# KiCad board knobby_8_layer_12_coils_60_leds_70x20_complete.kicad_pcb (continued)
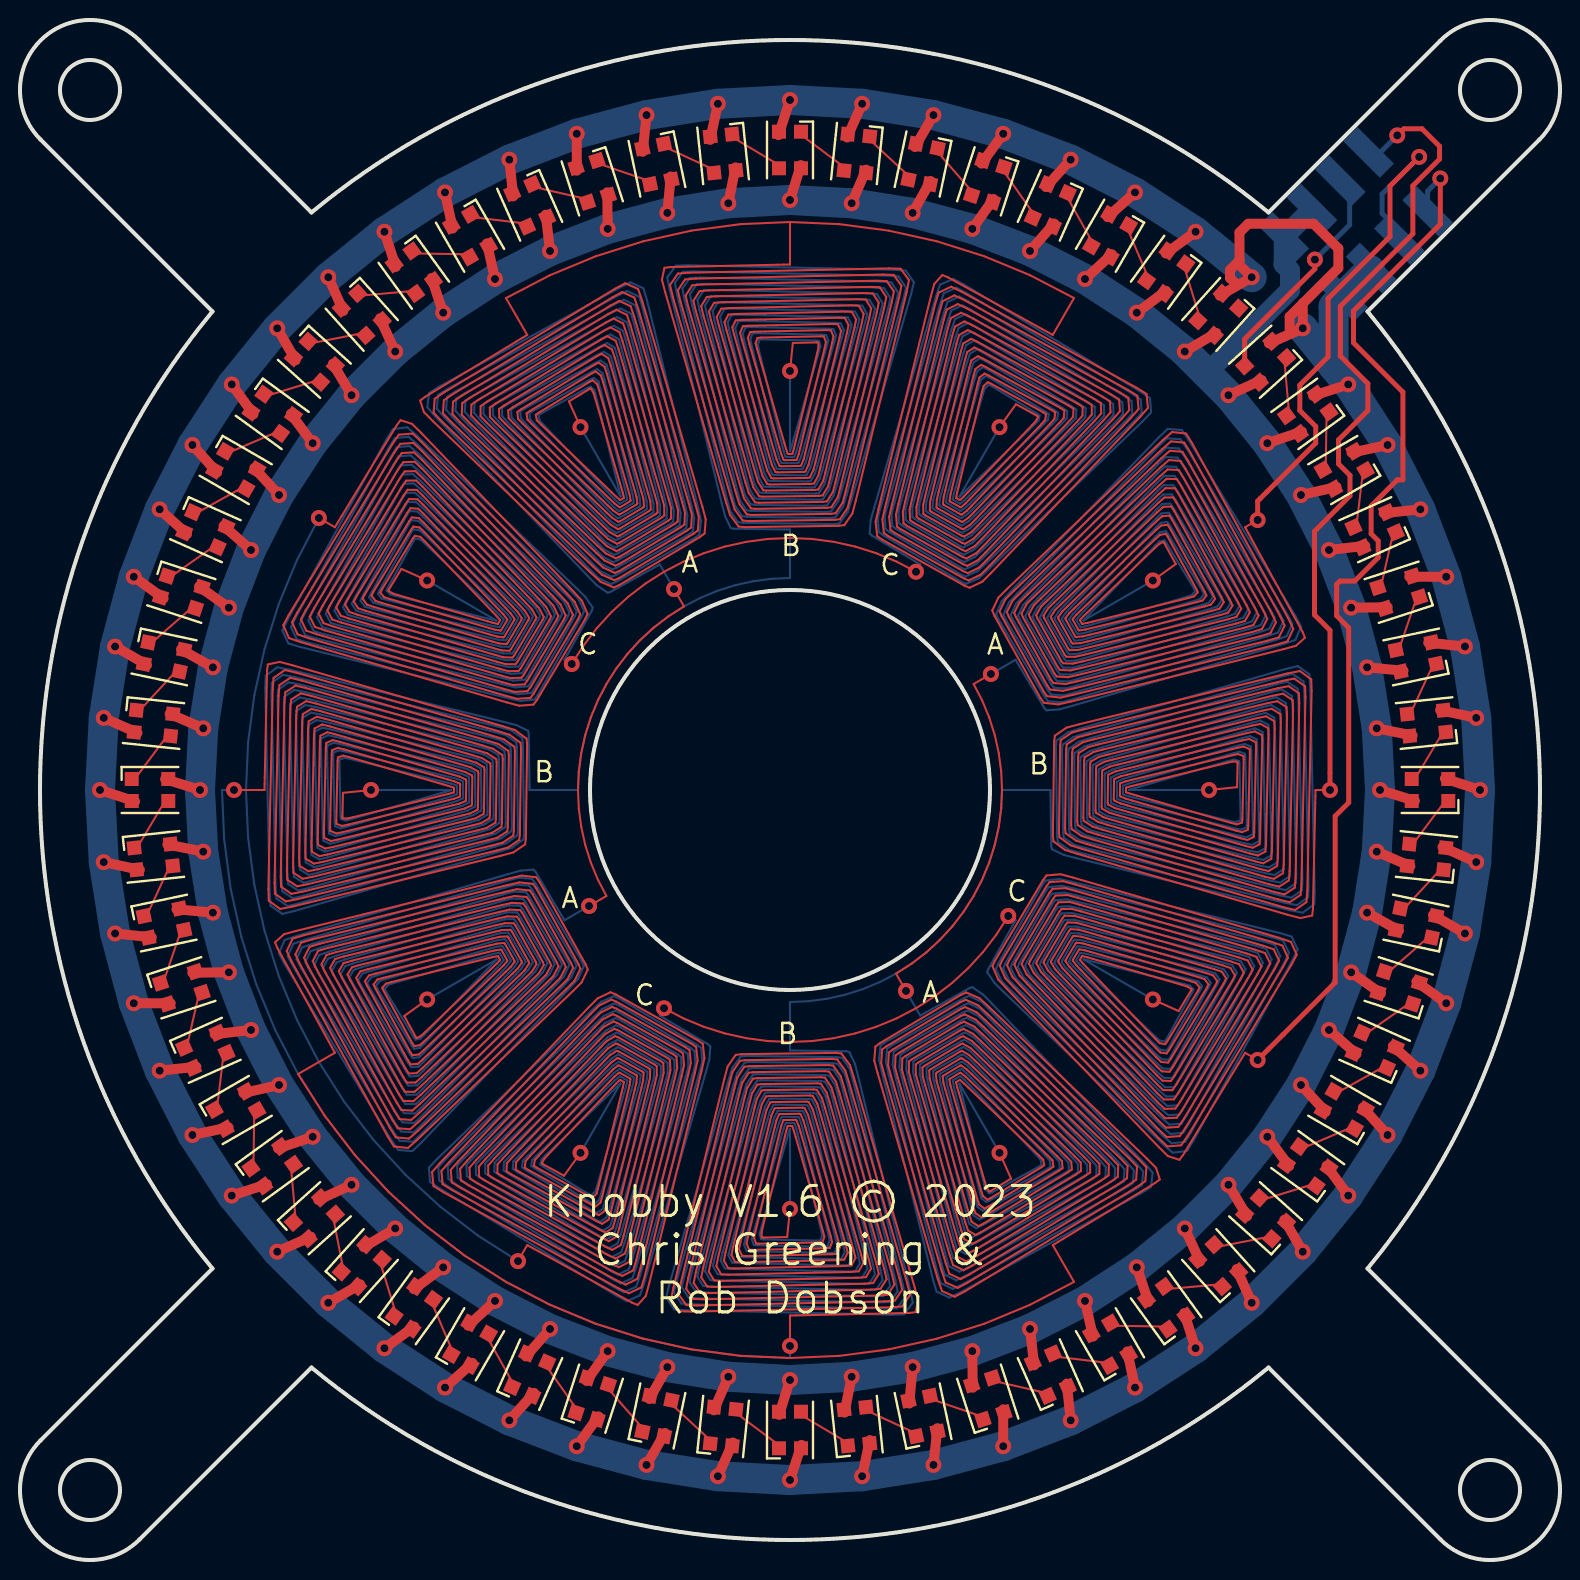
[diagram p0: board, top side]
## Routing (per net, layer and track width the routed paths; a pad name or vN(x,y) marks a point on that pad's centre or on a via; arc(x,y) is an arc through that point) (continued)
  In3.Cu w0.102: v1(48.98,20.36) 46.97,23.82 46.97,23.82 46.97,23.8 47.03,23.55 47.1,23.29 48.21,18.77 48.28,18.51 48.47,18.33 48.61,18.39 50.95,19.67 51.08,19.76 51.02,20.03 50.83,20.24 47.44,23.79 47.24,23.99 47.03,24.18 47,24.18 46.66,23.99 46.64,23.96 46.69,23.67 46.76,23.38 48,18.37 48.08,18.08 48.31,17.89 48.48,17.97 51.38,19.56 51.53,19.67 51.49,19.97 51.28,20.21 47.54,24.12 47.31,24.35 47.07,24.55 47.02,24.54 46.35,24.16 46.31,24.12 46.35,23.8 46.43,23.47 47.78,17.98 47.87,17.66 48.14,17.46 48.35,17.55 51.8,19.45 51.99,19.57 51.96,19.92 51.73,20.17 47.63,24.46 47.39,24.71 47.11,24.91 47.04,24.89 46.04,24.34 45.98,24.28 46.01,23.92 46.09,23.57 47.57,17.58 47.67,17.24 47.97,17.03 48.21,17.14 52.23,19.34 52.45,19.48 52.42,19.86 52.17,20.14 47.73,24.79 47.47,25.06 47.15,25.28 47.05,25.25 45.73,24.51 45.66,24.44 45.67,24.04 45.76,23.66 47.36,17.18 47.46,16.81 47.81,16.59 48.08,16.72 52.65,19.23 52.9,19.39 52.89,19.81 52.62,20.11 47.83,25.13 47.54,25.42 47.18,25.64 47.07,25.61 45.42,24.68 45.33,24.6 45.33,24.17 45.43,23.76 47.14,16.79 47.26,16.39 47.64,16.16 47.95,16.3 53.07,19.12 53.36,19.3 53.36,19.75 53.07,20.08 47.93,25.46 47.62,25.77 47.22,26.01 47.09,25.96 45.11,24.85 45,24.77 44.99,24.29 45.09,23.85 46.93,16.39 47.06,15.96 47.47,15.72 47.81,15.88 53.5,19 53.82,19.21 53.83,19.7 53.52,20.04 48.03,25.8 47.7,26.13 47.26,26.38 47.11,26.32 44.8,25.03 44.67,24.93 44.65,24.41 44.76,23.94 46.72,16 46.85,15.54 47.31,15.29 47.68,15.47 53.92,18.89 54.27,19.11 54.29,19.64 53.97,20.01 48.12,26.13 47.77,26.48 47.3,26.74 47.13,26.67 44.49,25.2 44.34,25.09 44.31,24.54 44.42,24.04 46.5,15.6 46.65,15.12 47.14,14.85 47.54,15.05 54.35,18.78 54.73,19.02 54.76,19.59 54.42,19.98 48.22,26.46 47.85,26.84 47.34,27.11 47.15,27.03 44.18,25.37 44.01,25.25 43.97,24.66 44.09,24.13 46.29,15.2 46.44,14.69 46.97,14.42 47.41,14.63 54.77,18.67 55.18,18.93 55.23,19.53 54.87,19.95 48.32,26.8 47.92,27.19 47.38,27.47 47.16,27.39 43.87,25.54 43.68,25.41 43.63,24.78 43.76,24.22 46.08,14.81 46.24,14.27 46.81,13.99 47.28,14.21 55.2,18.56 55.64,18.84 55.7,19.48 55.32,19.91 48.42,27.13 48,27.55 47.42,27.84 47.18,27.74 43.56,25.72 43.36,25.57 43.29,24.9 43.42,24.32 45.86,14.41 46.03,13.84 46.64,13.55 47.14,13.79 55.62,18.45 56.1,18.74 56.16,19.42 55.76,19.88 48.51,27.47 48.08,27.91 47.45,28.2 47.2,28.1 43.25,25.89 43.03,25.73 42.95,25.03 43.09,24.41 45.65,14.01 45.83,13.42 46.47,13.12 47.01,13.38 56.05,18.34 56.55,18.65 56.63,19.37 56.21,19.85 48.61,27.8 48.16,28.27 47.62,28.64 47.46,28.59 45.01,27.22 v1(44.3,28.45) ; v1(38.5,10.7) 38.5,10.1 36.02,10.21 33.57,10.53 31.15,11.07 28.79,11.81 26.5,12.76 24.3,13.9 22.21,15.24 20.24,16.74 18.42,18.42 16.74,20.24 15.24,22.21 13.9,24.3 12.76,26.5 11.81,28.79 11.07,31.15 10.53,33.57 10.21,36.02 10.1,38.5 v1(10.7,38.5) ; v1(24.9,14.94) 22.9,16.22 21.02,17.66 19.27,19.27 17.66,21.02 16.22,22.9 14.94,24.9 13.85,27 12.94,29.2 12.23,31.46 11.71,33.78 11.4,36.13 11.3,38.5 11.4,40.87 11.71,43.22 12.23,45.54 12.94,47.8 13.85,50 v1(14.94,52.1) ; v1(48.98,56.64) 46.98,53.18 46.98,53.17 46.99,53.18 47.18,53.36 47.38,53.55 50.73,56.77 50.92,56.97 50.98,57.22 50.86,57.31 48.58,58.7 48.44,58.76 48.24,58.58 48.15,58.31 46.77,53.6 46.69,53.32 46.64,53.05 46.65,53.02 46.99,52.82 47.02,52.82 47.24,53.01 47.46,53.22 51.18,56.79 51.39,57 51.44,57.3 51.29,57.41 48.46,59.12 48.29,59.21 48.05,59.01 47.95,58.71 46.43,53.51 46.35,53.21 46.3,52.9 46.33,52.86 46.99,52.47 47.04,52.45 47.31,52.65 47.55,52.88 51.63,56.8 51.86,57.04 51.9,57.37 51.72,57.5 48.35,59.54 48.14,59.65 47.86,59.44 47.76,59.12 46.1,53.43 46,53.1 45.96,52.75 46.02,52.7 47,52.11 47.07,52.09 47.37,52.29 47.63,52.54 52.08,56.81 52.33,57.07 52.36,57.44 52.14,57.59 48.23,59.97 48,60.09 47.68,59.88 47.56,59.52 45.76,53.35 45.65,52.98 45.63,52.6 45.7,52.53 47,51.76 47.09,51.73 47.43,51.94 47.72,52.21 52.53,56.83 52.8,57.11 52.82,57.51 52.57,57.69 48.12,60.39 47.85,60.53 47.49,60.31 47.36,59.93 45.42,53.27 45.31,52.87 45.29,52.45 45.38,52.37 47.01,51.4 47.12,51.36 47.5,51.58 47.81,51.87 52.98,56.84 53.27,57.14 53.28,57.59 53,57.78 48,60.81 47.7,60.97 47.31,60.74 47.17,60.33 45.08,53.18 44.96,52.76 44.95,52.3 45.06,52.21 47.01,51.05 47.15,51 47.56,51.23 47.89,51.53 53.43,56.85 53.74,57.18 53.74,57.66 53.43,57.87 47.88,61.24 47.55,61.41 47.12,61.17 46.97,60.74 44.74,53.1 44.62,52.65 44.62,52.15 44.75,52.05 47.02,50.69 47.17,50.63 47.62,50.87 47.98,51.2 53.88,56.87 54.21,57.21 54.2,57.73 53.86,57.97 47.77,61.66 47.4,61.85 46.93,61.61 46.78,61.14 44.4,53.02 44.27,52.54 44.28,52 44.43,51.88 47.02,50.34 47.2,50.27 47.69,50.51 48.06,50.86 54.33,56.88 54.68,57.25 54.66,57.8 54.29,58.06 47.65,62.08 47.26,62.29 46.75,62.04 46.58,61.55 44.06,52.94 43.92,52.43 43.95,51.85 44.11,51.72 47.03,49.98 47.22,49.9 47.75,50.16 48.15,50.53 54.78,56.89 55.15,57.28 55.12,57.88 54.72,58.15 47.54,62.51 47.11,62.73 46.56,62.47 46.38,61.95 43.72,52.85 43.58,52.31 43.61,51.7 43.79,51.56 47.03,49.63 47.25,49.54 47.82,49.8 48.24,50.19 55.23,56.91 55.62,57.32 55.58,57.95 55.15,58.25 47.42,62.93 46.96,63.18 46.38,62.9 46.19,62.36 43.39,52.77 43.23,52.2 43.27,51.55 43.48,51.4 47.04,49.27 47.27,49.17 47.88,49.45 48.32,49.85 55.68,56.92 56.09,57.35 56.04,58.02 55.57,58.34 47.31,63.35 46.81,63.62 46.19,63.34 45.99,62.76 43.05,52.69 42.89,52.09 42.94,51.4 43.16,51.24 47.05,48.92 47.3,48.81 47.94,49.09 48.41,49.52 56.13,56.94 56.56,57.39 56.5,58.1 56,58.43 47.19,63.78 46.66,64.06 46,63.77 45.79,63.17 42.71,52.61 42.53,51.98 42.48,51.32 42.6,51.22 45.01,49.78 v1(44.8,49.41) ; v1(56.64,48.98) 53.18,46.98 53.17,46.98 53.18,46.99 53.36,47.18 53.55,47.38 56.77,50.73 56.97,50.92 57.22,50.98 57.31,50.86 58.7,48.58 58.76,48.44 58.58,48.24 58.31,48.15 53.6,46.77 53.32,46.69 53.05,46.64 53.02,46.65 52.82,46.99 52.82,47.02 53.01,47.24 53.22,47.46 56.79,51.18 57,51.39 57.3,51.44 57.41,51.29 59.12,48.46 59.21,48.29 59.01,48.05 58.71,47.95 53.51,46.43 53.21,46.35 52.9,46.3 52.86,46.33 52.47,46.99 52.45,47.04 52.65,47.31 52.88,47.55 56.8,51.63 57.04,51.86 57.37,51.9 57.5,51.72 59.54,48.35 59.65,48.14 59.44,47.86 59.12,47.76 53.43,46.1 53.1,46 52.75,45.96 52.7,46.02 52.11,47 52.09,47.07 52.29,47.37 52.54,47.63 56.81,52.08 57.07,52.33 57.44,52.36 57.59,52.14 59.97,48.23 60.09,48 59.88,47.68 59.52,47.56 53.35,45.76 52.98,45.65 52.6,45.63 52.53,45.7 51.76,47 51.73,47.09 51.94,47.43 52.21,47.72 56.83,52.53 57.11,52.8 57.51,52.82 57.69,52.57 60.39,48.12 60.53,47.85 60.31,47.49 59.93,47.36 53.27,45.42 52.87,45.31 52.45,45.29 52.37,45.38 51.4,47.01 51.36,47.12 51.58,47.5 51.87,47.81 56.84,52.98 57.14,53.27 57.59,53.28 57.78,53 60.81,48 60.97,47.7 60.74,47.31 60.33,47.17 53.18,45.08 52.76,44.96 52.3,44.95 52.21,45.06 51.05,47.01 51,47.15 51.23,47.56 51.53,47.89 56.85,53.43 57.18,53.74 57.66,53.74 57.87,53.43 61.24,47.88 61.41,47.55 61.17,47.12 60.74,46.97 53.1,44.74 52.65,44.62 52.15,44.62 52.05,44.75 50.69,47.02 50.63,47.17 50.87,47.62 51.2,47.98 56.87,53.88 57.21,54.21 57.73,54.2 57.97,53.86 61.66,47.77 61.85,47.4 61.61,46.93 61.14,46.78 53.02,44.4 52.54,44.27 52,44.28 51.88,44.43 50.34,47.02 50.27,47.2 50.51,47.69 50.86,48.06 56.88,54.33 57.25,54.68 57.8,54.66 58.06,54.29 62.08,47.65 62.29,47.26 62.04,46.75 61.55,46.58 52.94,44.06 52.43,43.92 51.85,43.95 51.72,44.11 49.98,47.03 49.9,47.22 50.16,47.75 50.53,48.15 56.89,54.78 57.28,55.15 57.88,55.12 58.15,54.72 62.51,47.54 62.73,47.11 62.47,46.56 61.95,46.38 52.85,43.72 52.31,43.58 51.7,43.61 51.56,43.79 49.63,47.03 49.54,47.25 49.8,47.82 50.19,48.24 56.91,55.23 57.32,55.62 57.95,55.58 58.25,55.15 62.93,47.42 63.18,46.96 62.9,46.38 62.36,46.19 52.77,43.39 52.2,43.23 51.55,43.27 51.4,43.48 49.27,47.04 49.17,47.27 49.45,47.88 49.85,48.32 56.92,55.68 57.35,56.09 58.02,56.04 58.34,55.57 63.35,47.31 63.62,46.81 63.34,46.19 62.76,45.99 52.69,43.05 52.09,42.89 51.4,42.94 51.24,43.16 48.92,47.05 48.81,47.3 49.09,47.94 49.52,48.41 56.94,56.13 57.39,56.56 58.1,56.5 58.43,56 63.78,47.19 64.06,46.66 63.77,46 63.17,45.79 52.61,42.71 51.98,42.53 51.32,42.48 51.22,42.6 49.78,45.01 v1(48.55,44.3) ; v1(28.03,20.36) 30.02,23.82 30.02,23.83 30.01,23.82 29.82,23.64 29.62,23.45 26.27,20.23 26.08,20.03 26.02,19.78 26.14,19.69 28.42,18.3 28.56,18.24 28.76,18.42 28.85,18.69 30.23,23.4 30.31,23.68 30.36,23.95 30.35,23.98 30.01,24.18 29.98,24.18 29.76,23.99 29.54,23.78 25.82,20.21 25.61,20 25.56,19.7 25.71,19.59 28.54,17.88 28.71,17.79 28.95,17.99 29.05,18.29 30.57,23.49 30.65,23.79 30.7,24.1 30.67,24.14 30.01,24.53 29.96,24.55 29.69,24.35 29.45,24.12 25.37,20.2 25.14,19.96 25.1,19.63 25.28,19.5 28.65,17.46 28.86,17.35 29.14,17.56 29.24,17.88 30.9,23.57 31,23.9 31.04,24.25 30.98,24.3 30,24.89 29.93,24.91 29.63,24.71 29.37,24.46 24.92,20.19 24.67,19.93 24.64,19.56 24.86,19.41 28.77,17.03 29,16.91 29.32,17.12 29.44,17.48 31.24,23.65 31.35,24.02 31.37,24.4 31.3,24.47 30,25.24 29.91,25.27 29.57,25.06 29.28,24.79 24.47,20.17 24.2,19.89 24.18,19.49 24.43,19.31 28.88,16.61 29.15,16.47 29.51,16.69 29.64,17.07 31.58,23.73 31.69,24.13 31.71,24.55 31.62,24.63 29.99,25.6 29.88,25.64 29.5,25.42 29.19,25.13 24.02,20.16 23.73,19.86 23.72,19.41 24,19.22 29,16.19 29.3,16.03 29.69,16.26 29.83,16.67 31.92,23.82 32.04,24.24 32.05,24.7 31.94,24.79 29.99,25.95 29.85,26 29.44,25.77 29.11,25.47 23.57,20.15 23.26,19.82 23.26,19.34 23.57,19.13 29.12,15.76 29.45,15.59 29.88,15.83 30.03,16.26 32.26,23.9 32.38,24.35 32.38,24.85 32.25,24.95 29.98,26.31 29.83,26.37 29.38,26.13 29.02,25.8 23.12,20.13 22.79,19.79 22.8,19.27 23.14,19.03 29.23,15.34 29.6,15.15 30.07,15.39 30.22,15.86 32.6,23.98 32.73,24.46 32.72,25 32.57,25.12 29.98,26.66 29.8,26.73 29.31,26.49 28.94,26.14 22.67,20.12 22.32,19.75 22.34,19.2 22.71,18.94 29.35,14.92 29.74,14.71 30.25,14.96 30.42,15.45 32.94,24.06 33.08,24.57 33.05,25.15 32.89,25.28 29.97,27.02 29.78,27.1 29.25,26.84 28.85,26.47 22.22,20.11 21.85,19.72 21.88,19.12 22.28,18.85 29.46,14.49 29.89,14.27 30.44,14.53 30.62,15.05 33.28,24.15 33.42,24.69 33.39,25.3 33.21,25.44 29.97,27.37 29.75,27.46 29.18,27.2 28.76,26.81 21.77,20.09 21.38,19.68 21.42,19.05 21.85,18.75 29.58,14.07 30.04,13.82 30.62,14.1 30.81,14.64 33.61,24.23 33.77,24.8 33.73,25.45 33.52,25.6 29.96,27.73 29.73,27.83 29.12,27.55 28.68,27.15 21.32,20.08 20.91,19.65 20.96,18.98 21.43,18.66 29.69,13.65 30.19,13.38 30.81,13.66 31.01,14.24 33.95,24.31 34.11,24.91 34.06,25.6 33.84,25.76 29.95,28.08 29.7,28.19 29.06,27.91 28.59,27.48 20.87,20.06 20.44,19.61 20.5,18.9 21,18.57 29.81,13.22 30.34,12.94 31,13.23 31.21,13.83 34.29,24.39 34.47,25.02 34.52,25.68 34.4,25.78 31.99,27.22 v1(32.2,27.59) ; v1(17.55,38.5) 21.55,38.5 21.55,38.49 21.54,38.49 21.29,38.41 21.03,38.34 16.56,37.04 16.3,36.98 16.04,37.05 16.03,37.2 15.97,39.87 15.98,40.02 16.24,40.11 16.52,40.05 21.29,38.88 21.57,38.81 21.83,38.73 21.85,38.7 21.85,38.31 21.84,38.28 21.56,38.18 21.27,38.1 16.32,36.66 16.03,36.59 15.75,36.69 15.73,36.88 15.66,40.18 15.67,40.37 15.96,40.48 16.27,40.42 21.53,39.14 21.84,39.06 22.13,38.94 22.15,38.9 22.16,38.13 22.14,38.08 21.84,37.95 21.52,37.85 16.08,36.28 15.77,36.2 15.46,36.33 15.44,36.56 15.35,40.49 15.36,40.72 15.68,40.86 16.02,40.79 21.77,39.39 22.11,39.3 22.43,39.16 22.45,39.09 22.46,37.95 22.45,37.87 22.12,37.71 21.77,37.61 15.85,35.89 15.5,35.81 15.17,35.97 15.14,36.23 15.04,40.81 15.06,41.07 15.4,41.24 15.76,41.16 22.01,39.64 22.38,39.55 22.73,39.38 22.75,39.28 22.77,37.76 22.75,37.67 22.39,37.48 22.02,37.37 15.61,35.51 15.24,35.42 14.87,35.61 14.85,35.91 14.73,41.12 14.75,41.42 15.12,41.62 15.51,41.54 22.25,39.89 22.65,39.79 23.02,39.59 23.05,39.48 23.07,37.58 23.05,37.47 22.67,37.25 22.27,37.13 15.38,35.13 14.97,35.03 14.58,35.24 14.55,35.58 14.43,41.43 14.44,41.77 14.84,41.99 15.26,41.91 22.49,40.14 22.92,40.03 23.32,39.81 23.35,39.67 23.38,37.4 23.36,37.26 22.95,37.02 22.52,36.88 15.14,34.75 14.71,34.64 14.29,34.88 14.26,35.26 14.12,41.74 14.13,42.12 14.55,42.37 15.01,42.28 22.73,40.4 23.19,40.28 23.62,40.03 23.65,39.86 23.68,37.22 23.66,37.06 23.22,36.78 22.76,36.64 14.9,34.36 14.44,34.25 14,34.52 13.96,34.93 13.81,42.05 13.82,42.46 14.27,42.75 14.75,42.65 22.98,40.65 23.46,40.52 23.92,40.24 23.94,40.06 23.99,37.04 23.96,36.85 23.5,36.55 23.01,36.4 14.67,33.98 14.18,33.86 13.7,34.16 13.67,34.61 13.5,42.37 13.52,42.81 13.99,43.13 14.5,43.03 23.22,40.9 23.73,40.77 24.21,40.46 24.24,40.25 24.29,36.85 24.27,36.65 23.78,36.32 23.26,36.16 14.43,33.6 13.91,33.47 13.41,33.8 13.37,34.28 13.19,42.68 13.21,43.16 13.71,43.5 14.25,43.4 23.46,41.15 24,41.01 24.51,40.67 24.54,40.45 24.6,36.67 24.57,36.44 24.05,36.08 23.51,35.91 14.19,33.21 13.65,33.08 13.12,33.44 13.08,33.96 12.88,42.99 12.9,43.51 13.43,43.88 14,43.77 23.7,41.4 24.27,41.25 24.81,40.89 24.84,40.64 24.9,36.49 24.87,36.24 24.33,35.85 23.76,35.67 13.96,32.83 13.38,32.7 12.82,33.07 12.78,33.63 12.57,43.3 12.59,43.86 13.15,44.26 13.74,44.14 23.94,41.66 24.54,41.5 25.11,41.11 25.14,40.83 25.2,36.31 25.18,36.03 24.61,35.62 24.01,35.43 13.72,32.45 13.12,32.31 12.53,32.71 12.49,33.31 12.26,43.61 12.28,44.21 12.87,44.64 13.49,44.52 24.18,41.91 24.81,41.75 25.4,41.46 25.44,41.31 25.48,38.5 27.9,38.5 27.94,39.42 28.06,40.34 28.26,41.24 28.54,42.13 28.89,42.98 29.32,43.8 29.82,44.58 30.38,45.31 31,46 31.69,46.62 32.42,47.18 33.2,47.68 34.02,48.11 34.87,48.46 35.76,48.74 36.66,48.94 37.58,49.06 38.5,49.1 38.5,51.52 35.69,51.56 35.54,51.6 35.25,52.19 35.09,52.82 32.48,63.51 32.36,64.13 32.79,64.72 33.39,64.74 43.69,64.51 44.29,64.47 44.69,63.88 44.55,63.28 41.57,52.99 41.38,52.39 40.97,51.82 40.69,51.8 36.17,51.86 35.89,51.89 35.5,52.46 35.34,53.06 32.86,63.26 32.74,63.85 33.14,64.41 33.7,64.43 43.37,64.22 43.93,64.18 44.3,63.62 44.17,63.04 41.33,53.24 41.15,52.67 40.76,52.13 40.51,52.1 36.36,52.16 36.11,52.19 35.75,52.73 35.6,53.3 33.23,63 33.12,63.57 33.49,64.1 34.01,64.12 43.04,63.92 43.56,63.88 43.92,63.35 43.79,62.81 41.09,53.49 40.92,52.95 40.56,52.43 40.33,52.4 36.55,52.46 36.33,52.49 35.99,53 35.85,53.54 33.6,62.75 33.5,63.29 33.84,63.79 34.32,63.81 42.72,63.63 43.2,63.59 43.53,63.09 43.4,62.57 40.84,53.74 40.68,53.22 40.35,52.73 40.15,52.71 36.75,52.76 36.54,52.79 36.23,53.27 36.1,53.78 33.97,62.5 33.87,63.01 34.19,63.48 34.63,63.5 42.39,63.33 42.84,63.3 43.14,62.82 43.02,62.33 40.6,53.99 40.45,53.5 40.15,53.04 39.96,53.01 36.94,53.06 36.76,53.08 36.48,53.54 36.35,54.02 34.35,62.25 34.25,62.73 34.54,63.18 34.95,63.19 42.07,63.04 42.48,63 42.75,62.56 42.64,62.1 40.36,54.24 40.22,53.78 39.94,53.34 39.78,53.32 37.14,53.35 36.97,53.38 36.72,53.81 36.6,54.27 34.72,61.99 34.63,62.45 34.88,62.87 35.26,62.88 41.74,62.74 42.12,62.71 42.36,62.29 42.25,61.86 40.12,54.48 39.98,54.05 39.74,53.64 39.6,53.62 37.33,53.65 37.19,53.68 36.97,54.08 36.86,54.51 35.09,61.74 35.01,62.16 35.23,62.56 35.57,62.57 41.42,62.45 41.76,62.42 41.97,62.03 41.87,61.62 39.87,54.73 39.75,54.33 39.53,53.95 39.42,53.93 37.52,53.95 37.41,53.98 37.21,54.35 37.11,54.75 35.46,61.49 35.38,61.88 35.58,62.25 35.88,62.27 41.09,62.15 41.39,62.13 41.58,61.76 41.49,61.39 39.63,54.98 39.52,54.61 39.33,54.25 39.24,54.23 37.72,54.25 37.62,54.27 37.45,54.62 37.36,54.99 35.84,61.24 35.76,61.6 35.93,61.94 36.19,61.96 40.77,61.86 41.03,61.83 41.19,61.5 41.11,61.15 39.39,55.23 39.29,54.88 39.13,54.55 39.05,54.54 37.91,54.55 37.84,54.57 37.7,54.89 37.61,55.23 36.21,60.98 36.14,61.32 36.28,61.64 36.51,61.65 40.44,61.56 40.67,61.54 40.8,61.23 40.72,60.92 39.15,55.48 39.05,55.16 38.92,54.86 38.87,54.84 38.1,54.85 38.06,54.87 37.94,55.16 37.86,55.47 36.58,60.73 36.52,61.04 36.63,61.33 36.82,61.34 40.12,61.27 40.31,61.25 40.41,60.97 40.34,60.68 38.9,55.73 38.82,55.44 38.72,55.16 38.69,55.15 38.3,55.15 38.27,55.17 38.19,55.43 38.12,55.71 36.95,60.48 36.89,60.76 36.98,61.02 37.13,61.03 39.8,60.97 39.95,60.96 40.02,60.7 39.96,60.44 38.66,55.97 38.59,55.71 38.51,55.46 38.51,55.45 38.5,55.45 v1(38.5,59.45) ; v1(27.59,44.8) 27.22,45.01 28.59,47.46 28.64,47.62 28.27,48.16 27.8,48.61 19.85,56.21 19.37,56.63 18.65,56.55 18.34,56.05 13.38,47.01 13.12,46.47 13.42,45.83 14.01,45.65 24.41,43.09 25.03,42.95 25.73,43.03 25.89,43.25 28.1,47.2 28.2,47.45 27.91,48.08 27.47,48.51 19.88,55.76 19.42,56.16 18.74,56.1 18.45,55.62 13.79,47.14 13.55,46.64 13.84,46.03 14.41,45.86 24.32,43.42 24.9,43.29 25.57,43.36 25.72,43.56 27.74,47.18 27.84,47.42 27.55,48 27.13,48.42 19.91,55.32 19.48,55.7 18.84,55.64 18.56,55.2 14.21,47.28 13.99,46.81 14.27,46.24 14.81,46.08 24.22,43.76 24.78,43.63 25.41,43.68 25.54,43.87 27.39,47.16 27.47,47.38 27.19,47.92 26.8,48.32 19.95,54.87 19.53,55.23 18.93,55.18 18.67,54.77 14.63,47.41 14.42,46.97 14.69,46.44 15.2,46.29 24.13,44.09 24.66,43.97 25.25,44.01 25.37,44.18 27.03,47.15 27.11,47.34 26.84,47.85 26.46,48.22 19.98,54.42 19.59,54.76 19.02,54.73 18.78,54.35 15.05,47.54 14.85,47.14 15.12,46.65 15.6,46.5 24.04,44.42 24.54,44.31 25.09,44.34 25.2,44.49 26.67,47.13 26.74,47.3 26.48,47.77 26.13,48.12 20.01,53.97 19.64,54.29 19.11,54.27 18.89,53.92 15.47,47.68 15.29,47.31 15.54,46.85 16,46.72 23.94,44.76 24.41,44.65 24.93,44.67 25.03,44.8 26.32,47.11 26.38,47.26 26.13,47.7 25.8,48.03 20.04,53.52 19.7,53.83 19.21,53.82 19,53.5 15.88,47.81 15.72,47.47 15.96,47.06 16.39,46.93 23.85,45.09 24.29,44.99 24.77,45 24.85,45.11 25.96,47.09 26.01,47.22 25.77,47.62 25.46,47.93 20.08,53.07 19.75,53.36 19.3,53.36 19.12,53.07 16.3,47.95 16.16,47.64 16.39,47.26 16.79,47.14 23.76,45.43 24.17,45.33 24.6,45.33 24.68,45.42 25.61,47.07 25.64,47.18 25.42,47.54 25.13,47.83 20.11,52.62 19.81,52.89 19.39,52.9 19.23,52.65 16.72,48.08 16.59,47.81 16.81,47.46 17.18,47.36 23.66,45.76 24.04,45.67 24.44,45.66 24.51,45.73 25.25,47.05 25.28,47.15 25.06,47.47 24.79,47.73 20.14,52.17 19.86,52.42 19.48,52.45 19.34,52.23 17.14,48.21 17.03,47.97 17.24,47.67 17.58,47.57 23.57,46.09 23.92,46.01 24.28,45.98 24.34,46.04 24.89,47.04 24.91,47.11 24.71,47.39 24.46,47.63 20.17,51.73 19.92,51.96 19.57,51.99 19.45,51.8 17.55,48.35 17.46,48.14 17.66,47.87 17.98,47.78 23.47,46.43 23.8,46.35 24.12,46.31 24.16,46.35 24.54,47.02 24.55,47.07 24.35,47.31 24.12,47.54 20.21,51.28 19.97,51.49 19.67,51.53 19.56,51.38 17.97,48.48 17.89,48.31 18.08,48.08 18.37,48 23.38,46.76 23.67,46.69 23.96,46.64 23.99,46.66 24.18,47 24.18,47.03 23.99,47.24 23.79,47.44 20.24,50.83 20.03,51.02 19.76,51.08 19.67,50.95 18.39,48.61 18.33,48.47 18.51,48.28 18.77,48.21 23.29,47.1 23.55,47.03 23.8,46.97 23.82,46.97 23.82,46.97 v1(20.36,48.98) ; v1(49.41,32.2) 49.78,31.99 48.41,29.54 48.36,29.38 48.73,28.84 49.2,28.39 57.15,20.79 57.63,20.37 58.35,20.45 58.66,20.95 63.62,29.99 63.88,30.53 63.58,31.17 62.99,31.35 52.59,33.91 51.97,34.05 51.27,33.97 51.11,33.75 48.9,29.8 48.8,29.55 49.09,28.92 49.53,28.49 57.12,21.24 57.58,20.84 58.26,20.9 58.55,21.38 63.21,29.86 63.45,30.36 63.16,30.97 62.59,31.14 52.68,33.58 52.1,33.71 51.43,33.64 51.28,33.44 49.26,29.82 49.16,29.58 49.45,29 49.87,28.58 57.09,21.68 57.52,21.3 58.16,21.36 58.44,21.8 62.79,29.72 63.01,30.19 62.73,30.76 62.19,30.92 52.78,33.24 52.22,33.37 51.59,33.32 51.46,33.13 49.61,29.84 49.53,29.62 49.81,29.08 50.2,28.68 57.05,22.13 57.47,21.77 58.07,21.82 58.33,22.23 62.37,29.59 62.58,30.03 62.31,30.56 61.8,30.71 52.87,32.91 52.34,33.03 51.75,32.99 51.63,32.82 49.97,29.85 49.89,29.66 50.16,29.15 50.54,28.78 57.02,22.58 57.41,22.24 57.98,22.27 58.22,22.65 61.95,29.46 62.15,29.86 61.88,30.35 61.4,30.5 52.96,32.58 52.46,32.69 51.91,32.66 51.8,32.51 50.33,29.87 50.26,29.7 50.52,29.23 50.87,28.88 56.99,23.03 57.36,22.71 57.89,22.73 58.11,23.08 61.53,29.32 61.71,29.69 61.46,30.15 61,30.28 53.06,32.24 52.59,32.35 52.07,32.33 51.97,32.2 50.68,29.89 50.62,29.74 50.87,29.3 51.2,28.97 56.96,23.48 57.3,23.17 57.79,23.18 58,23.5 61.12,29.19 61.28,29.53 61.04,29.94 60.61,30.07 53.15,31.91 52.71,32.01 52.23,32 52.15,31.89 51.04,29.91 50.99,29.78 51.23,29.38 51.54,29.07 56.92,23.93 57.25,23.64 57.7,23.64 57.88,23.93 60.7,29.05 60.84,29.36 60.61,29.74 60.21,29.86 53.24,31.57 52.83,31.67 52.4,31.67 52.32,31.58 51.39,29.93 51.36,29.82 51.58,29.46 51.87,29.17 56.89,24.38 57.19,24.11 57.61,24.1 57.77,24.35 60.28,28.92 60.41,29.19 60.19,29.54 59.82,29.64 53.34,31.24 52.96,31.33 52.56,31.34 52.49,31.27 51.75,29.95 51.72,29.85 51.94,29.53 52.21,29.27 56.86,24.83 57.14,24.58 57.52,24.55 57.66,24.77 59.86,28.79 59.97,29.03 59.76,29.33 59.42,29.43 53.43,30.91 53.08,30.99 52.72,31.02 52.66,30.96 52.11,29.96 52.09,29.89 52.29,29.61 52.54,29.37 56.83,25.27 57.08,25.04 57.43,25.01 57.55,25.2 59.45,28.65 59.54,28.86 59.34,29.13 59.02,29.22 53.53,30.57 53.2,30.65 52.88,30.69 52.84,30.65 52.46,29.98 52.45,29.93 52.65,29.69 52.88,29.46 56.79,25.72 57.03,25.51 57.33,25.47 57.44,25.62 59.03,28.52 59.11,28.69 58.92,28.92 58.63,29 53.62,30.24 53.33,30.31 53.04,30.36 53.01,30.34 52.82,30 52.82,29.97 53.01,29.76 53.21,29.56 56.76,26.17 56.97,25.98 57.24,25.92 57.33,26.05 58.61,28.39 58.67,28.53 58.49,28.72 58.23,28.79 53.71,29.9 53.45,29.97 53.2,30.03 53.18,30.03 53.18,30.03 v1(56.64,28.03) ; v1(28.02,56.64) 30.03,53.18 30.03,53.18 30.03,53.2 29.97,53.45 29.9,53.71 28.79,58.23 28.72,58.49 28.53,58.67 28.39,58.61 26.05,57.33 25.92,57.24 25.98,56.97 26.17,56.76 29.56,53.21 29.76,53.01 29.97,52.82 30,52.82 30.34,53.01 30.36,53.04 30.31,53.33 30.24,53.62 29,58.63 28.92,58.92 28.69,59.11 28.52,59.03 25.62,57.44 25.47,57.33 25.51,57.03 25.72,56.79 29.46,52.88 29.69,52.65 29.93,52.45 29.98,52.46 30.65,52.84 30.69,52.88 30.65,53.2 30.57,53.53 29.22,59.02 29.13,59.34 28.86,59.54 28.65,59.45 25.2,57.55 25.01,57.43 25.04,57.08 25.27,56.83 29.37,52.54 29.61,52.29 29.89,52.09 29.96,52.11 30.96,52.66 31.02,52.72 30.99,53.08 30.91,53.43 29.43,59.42 29.33,59.76 29.03,59.97 28.79,59.86 24.77,57.66 24.55,57.52 24.58,57.14 24.83,56.86 29.27,52.21 29.53,51.94 29.85,51.72 29.95,51.75 31.27,52.49 31.34,52.56 31.33,52.96 31.24,53.34 29.64,59.82 29.54,60.19 29.19,60.41 28.92,60.28 24.35,57.77 24.1,57.61 24.11,57.19 24.38,56.89 29.17,51.87 29.46,51.58 29.82,51.36 29.93,51.39 31.58,52.32 31.67,52.4 31.67,52.83 31.57,53.24 29.86,60.21 29.74,60.61 29.36,60.84 29.05,60.7 23.93,57.88 23.64,57.7 23.64,57.25 23.93,56.92 29.07,51.54 29.38,51.23 29.78,50.99 29.91,51.04 31.89,52.15 32,52.23 32.01,52.71 31.91,53.15 30.07,60.61 29.94,61.04 29.53,61.28 29.19,61.12 23.5,58 23.18,57.79 23.17,57.3 23.48,56.96 28.97,51.2 29.3,50.87 29.74,50.62 29.89,50.68 32.2,51.97 32.33,52.07 32.35,52.59 32.24,53.06 30.28,61 30.15,61.46 29.69,61.71 29.32,61.53 23.08,58.11 22.73,57.89 22.71,57.36 23.03,56.99 28.88,50.87 29.23,50.52 29.7,50.26 29.87,50.33 32.51,51.8 32.66,51.91 32.69,52.46 32.58,52.96 30.5,61.4 30.35,61.88 29.86,62.15 29.46,61.95 22.65,58.22 22.27,57.98 22.24,57.41 22.58,57.02 28.78,50.54 29.15,50.16 29.66,49.89 29.85,49.97 32.82,51.63 32.99,51.75 33.03,52.34 32.91,52.87 30.71,61.8 30.56,62.31 30.03,62.58 29.59,62.37 22.23,58.33 21.82,58.07 21.77,57.47 22.13,57.05 28.68,50.2 29.08,49.81 29.62,49.53 29.84,49.61 33.13,51.46 33.32,51.59 33.37,52.22 33.24,52.78 30.92,62.19 30.76,62.73 30.19,63.01 29.72,62.79 21.8,58.44 21.36,58.16 21.3,57.52 21.68,57.09 28.58,49.87 29,49.45 29.58,49.16 29.82,49.26 33.44,51.28 33.64,51.43 33.71,52.1 33.58,52.68 31.14,62.59 30.97,63.16 30.36,63.45 29.86,63.21 21.38,58.55 20.9,58.26 20.84,57.58 21.24,57.12 28.49,49.53 28.92,49.09 29.55,48.8 29.8,48.9 33.75,51.11 33.97,51.27 34.05,51.97 33.91,52.59 31.35,62.99 31.17,63.58 30.53,63.88 29.99,63.62 20.95,58.66 20.45,58.35 20.37,57.63 20.79,57.15 28.39,49.2 28.84,48.73 29.38,48.36 29.54,48.41 31.99,49.78 v1(32.7,48.55) ; v1(20.36,28.03) 23.82,30.02 23.83,30.02 23.82,30.01 23.64,29.82 23.45,29.62 20.23,26.27 20.03,26.08 19.78,26.02 19.69,26.14 18.3,28.42 18.24,28.56 18.42,28.76 18.69,28.85 23.4,30.23 23.68,30.31 23.95,30.36 23.98,30.35 24.18,30.01 24.18,29.98 23.99,29.76 23.78,29.54 20.21,25.82 20,25.61 19.7,25.56 19.59,25.71 17.88,28.54 17.79,28.71 17.99,28.95 18.29,29.05 23.49,30.57 23.79,30.65 24.1,30.7 24.14,30.67 24.53,30.01 24.55,29.96 24.35,29.69 24.12,29.45 20.2,25.37 19.96,25.14 19.63,25.1 19.5,25.28 17.46,28.65 17.35,28.86 17.56,29.14 17.88,29.24 23.57,30.9 23.9,31 24.25,31.04 24.3,30.98 24.89,30 24.91,29.93 24.71,29.63 24.46,29.37 20.19,24.92 19.93,24.67 19.56,24.64 19.41,24.86 17.03,28.77 16.91,29 17.12,29.32 17.48,29.44 23.65,31.24 24.02,31.35 24.4,31.37 24.47,31.3 25.24,30 25.27,29.91 25.06,29.57 24.79,29.28 20.17,24.47 19.89,24.2 19.49,24.18 19.31,24.43 16.61,28.88 16.47,29.15 16.69,29.51 17.07,29.64 23.73,31.58 24.13,31.69 24.55,31.71 24.63,31.62 25.6,29.99 25.64,29.88 25.42,29.5 25.13,29.19 20.16,24.02 19.86,23.73 19.41,23.72 19.22,24 16.19,29 16.03,29.3 16.26,29.69 16.67,29.83 23.82,31.92 24.24,32.04 24.7,32.05 24.79,31.94 25.95,29.99 26,29.85 25.77,29.44 25.47,29.11 20.15,23.57 19.82,23.26 19.34,23.26 19.13,23.57 15.76,29.12 15.59,29.45 15.83,29.88 16.26,30.03 23.9,32.26 24.35,32.38 24.85,32.38 24.95,32.25 26.31,29.98 26.37,29.83 26.13,29.38 25.8,29.02 20.13,23.12 19.79,22.79 19.27,22.8 19.03,23.14 15.34,29.23 15.15,29.6 15.39,30.07 15.86,30.22 23.98,32.6 24.46,32.73 25,32.72 25.12,32.57 26.66,29.98 26.73,29.8 26.49,29.31 26.14,28.94 20.12,22.67 19.75,22.32 19.2,22.34 18.94,22.71 14.92,29.35 14.71,29.74 14.96,30.25 15.45,30.42 24.06,32.94 24.57,33.08 25.15,33.05 25.28,32.89 27.02,29.97 27.1,29.78 26.84,29.25 26.47,28.85 20.11,22.22 19.72,21.85 19.12,21.88 18.85,22.28 14.49,29.46 14.27,29.89 14.53,30.44 15.05,30.62 24.15,33.28 24.69,33.42 25.3,33.39 25.44,33.21 27.37,29.97 27.46,29.75 27.2,29.18 26.81,28.76 20.09,21.77 19.68,21.38 19.05,21.42 18.75,21.85 14.07,29.58 13.82,30.04 14.1,30.62 14.64,30.81 24.23,33.61 24.8,33.77 25.45,33.73 25.6,33.52 27.73,29.96 27.83,29.73 27.55,29.12 27.15,28.68 20.08,21.32 19.65,20.91 18.98,20.96 18.66,21.43 13.65,29.69 13.38,30.19 13.66,30.81 14.24,31.01 24.31,33.95 24.91,34.11 25.6,34.06 25.76,33.84 28.08,29.95 28.19,29.7 27.91,29.06 27.48,28.59 20.06,20.87 19.61,20.44 18.9,20.5 18.57,21 13.22,29.81 12.94,30.34 13.23,31 13.83,31.21 24.39,34.29 25.02,34.47 25.68,34.52 25.78,34.4 27.22,31.99 v1(28.45,32.7) ; v1(38.5,17.55) 38.5,21.55 38.49,21.55 38.49,21.54 38.41,21.29 38.34,21.03 37.04,16.56 36.98,16.3 37.05,16.04 37.2,16.03 39.87,15.97 40.02,15.98 40.11,16.24 40.05,16.52 38.88,21.29 38.81,21.57 38.73,21.83 38.7,21.85 38.31,21.85 38.28,21.84 38.18,21.56 38.1,21.27 36.66,16.32 36.59,16.03 36.69,15.75 36.88,15.73 40.18,15.66 40.37,15.67 40.48,15.96 40.42,16.27 39.14,21.53 39.06,21.84 38.94,22.13 38.9,22.15 38.13,22.16 38.08,22.14 37.95,21.84 37.85,21.52 36.28,16.08 36.2,15.77 36.33,15.46 36.56,15.44 40.49,15.35 40.72,15.36 40.86,15.68 40.79,16.02 39.39,21.77 39.3,22.11 39.16,22.43 39.09,22.45 37.95,22.46 37.87,22.45 37.71,22.12 37.61,21.77 35.89,15.85 35.81,15.5 35.97,15.17 36.23,15.14 40.81,15.04 41.07,15.06 41.24,15.4 41.16,15.76 39.64,22.01 39.55,22.38 39.38,22.73 39.28,22.75 37.76,22.77 37.67,22.75 37.48,22.39 37.37,22.02 35.51,15.61 35.42,15.24 35.61,14.87 35.91,14.85 41.12,14.73 41.42,14.75 41.62,15.12 41.54,15.51 39.89,22.25 39.79,22.65 39.59,23.02 39.48,23.05 37.58,23.07 37.47,23.05 37.25,22.67 37.13,22.27 35.13,15.38 35.03,14.97 35.24,14.58 35.58,14.55 41.43,14.43 41.77,14.44 41.99,14.84 41.91,15.26 40.14,22.49 40.03,22.92 39.81,23.32 39.67,23.35 37.4,23.38 37.26,23.36 37.02,22.95 36.88,22.52 34.75,15.14 34.64,14.71 34.88,14.29 35.26,14.26 41.74,14.12 42.12,14.13 42.37,14.55 42.28,15.01 40.4,22.73 40.28,23.19 40.03,23.62 39.86,23.65 37.22,23.68 37.06,23.66 36.78,23.22 36.64,22.76 34.36,14.9 34.25,14.44 34.52,14 34.93,13.96 42.05,13.81 42.46,13.82 42.75,14.27 42.65,14.75 40.65,22.98 40.52,23.46 40.24,23.92 40.06,23.94 37.04,23.99 36.85,23.96 36.55,23.5 36.4,23.01 33.98,14.67 33.86,14.18 34.16,13.7 34.61,13.67 42.37,13.5 42.81,13.52 43.13,13.99 43.03,14.5 40.9,23.22 40.77,23.73 40.46,24.21 40.25,24.24 36.85,24.29 36.65,24.27 36.32,23.78 36.16,23.26 33.6,14.43 33.47,13.91 33.8,13.41 34.28,13.37 42.68,13.19 43.16,13.21 43.5,13.71 43.4,14.25 41.15,23.46 41.01,24 40.67,24.51 40.45,24.54 36.67,24.6 36.44,24.57 36.08,24.05 35.91,23.51 33.21,14.19 33.08,13.65 33.44,13.12 33.96,13.08 42.99,12.88 43.51,12.9 43.88,13.43 43.77,14 41.4,23.7 41.25,24.27 40.89,24.81 40.64,24.84 36.49,24.9 36.24,24.87 35.85,24.33 35.67,23.76 32.83,13.96 32.7,13.38 33.07,12.82 33.63,12.78 43.3,12.57 43.86,12.59 44.26,13.15 44.14,13.74 41.66,23.94 41.5,24.54 41.11,25.11 40.83,25.14 36.31,25.2 36.03,25.18 35.62,24.61 35.43,24.01 32.45,13.72 32.31,13.12 32.71,12.53 33.31,12.49 43.61,12.26 44.21,12.28 44.64,12.87 44.52,13.49 41.91,24.18 41.75,24.81 41.46,25.4 41.31,25.44 38.5,25.48 38.5,27.9 39.42,27.94 40.34,28.06 41.24,28.26 42.13,28.54 42.98,28.89 43.8,29.32 44.58,29.82 45.31,30.38 46,31 46.62,31.69 47.18,32.42 47.68,33.2 48.11,34.02 48.46,34.87 48.74,35.76 48.94,36.66 49.06,37.58 49.1,38.5 51.52,38.5 51.56,35.69 51.6,35.54 52.19,35.25 52.82,35.09 63.51,32.48 64.13,32.36 64.72,32.79 64.74,33.39 64.51,43.69 64.47,44.29 63.88,44.69 63.28,44.55 52.99,41.57 52.39,41.38 51.82,40.97 51.8,40.69 51.86,36.17 51.89,35.89 52.46,35.5 53.06,35.34 63.26,32.86 63.85,32.74 64.41,33.14 64.43,33.7 64.22,43.37 64.18,43.93 63.62,44.3 63.04,44.17 53.24,41.33 52.67,41.15 52.13,40.76 52.1,40.51 52.16,36.36 52.19,36.11 52.73,35.75 53.3,35.6 63,33.23 63.57,33.12 64.1,33.49 64.12,34.01 63.92,43.04 63.88,43.56 63.35,43.92 62.81,43.79 53.49,41.09 52.95,40.92 52.43,40.56 52.4,40.33 52.46,36.55 52.49,36.33 53,35.99 53.54,35.85 62.75,33.6 63.29,33.5 63.79,33.84 63.81,34.32 63.63,42.72 63.59,43.2 63.09,43.53 62.57,43.4 53.74,40.84 53.22,40.68 52.73,40.35 52.71,40.15 52.76,36.75 52.79,36.54 53.27,36.23 53.78,36.1 62.5,33.97 63.01,33.87 63.48,34.19 63.5,34.63 63.33,42.39 63.3,42.84 62.82,43.14 62.33,43.02 53.99,40.6 53.5,40.45 53.04,40.15 53.01,39.96 53.06,36.94 53.08,36.76 53.54,36.48 54.02,36.35 62.25,34.35 62.73,34.25 63.18,34.54 63.19,34.95 63.04,42.07 63,42.48 62.56,42.75 62.1,42.64 54.24,40.36 53.78,40.22 53.34,39.94 53.32,39.78 53.35,37.14 53.38,36.97 53.81,36.72 54.27,36.6 61.99,34.72 62.45,34.63 62.87,34.88 62.88,35.26 62.74,41.74 62.71,42.12 62.29,42.36 61.86,42.25 54.48,40.12 54.05,39.98 53.64,39.74 53.62,39.6 53.65,37.33 53.68,37.19 54.08,36.97 54.51,36.86 61.74,35.09 62.16,35.01 62.56,35.23 62.57,35.57 62.45,41.42 62.42,41.76 62.03,41.97 61.62,41.87 54.73,39.87 54.33,39.75 53.95,39.53 53.93,39.42 53.95,37.52 53.98,37.41 54.35,37.21 54.75,37.11 61.49,35.46 61.88,35.38 62.25,35.58 62.27,35.88 62.15,41.09 62.13,41.39 61.76,41.58 61.39,41.49 54.98,39.63 54.61,39.52 54.25,39.33 54.23,39.24 54.25,37.72 54.27,37.62 54.62,37.45 54.99,37.36 61.24,35.84 61.6,35.76 61.94,35.93 61.96,36.19 61.86,40.77 61.83,41.03 61.5,41.19 61.15,41.11 55.23,39.39 54.88,39.29 54.55,39.13 54.54,39.05 54.55,37.91 54.57,37.84 54.89,37.7 55.23,37.61 60.98,36.21 61.32,36.14 61.64,36.28 61.65,36.51 61.56,40.44 61.54,40.67 61.23,40.8 60.92,40.72 55.48,39.15 55.16,39.05 54.86,38.92 54.84,38.87 54.85,38.1 54.87,38.06 55.16,37.94 55.47,37.86 60.73,36.58 61.04,36.52 61.33,36.63 61.34,36.82 61.27,40.12 61.25,40.31 60.97,40.41 60.68,40.34 55.73,38.9 55.44,38.82 55.16,38.72 55.15,38.69 55.15,38.3 55.17,38.27 55.43,38.19 55.71,38.12 60.48,36.95 60.76,36.89 61.02,36.98 61.03,37.13 60.97,39.8 60.96,39.95 60.7,40.02 60.44,39.96 55.97,38.66 55.71,38.59 55.46,38.51 55.45,38.51 55.45,38.5 v1(59.45,38.5)